# Altium PCB Pleiades_Frouf.PcbDoc (part 4 of 12) (continued)
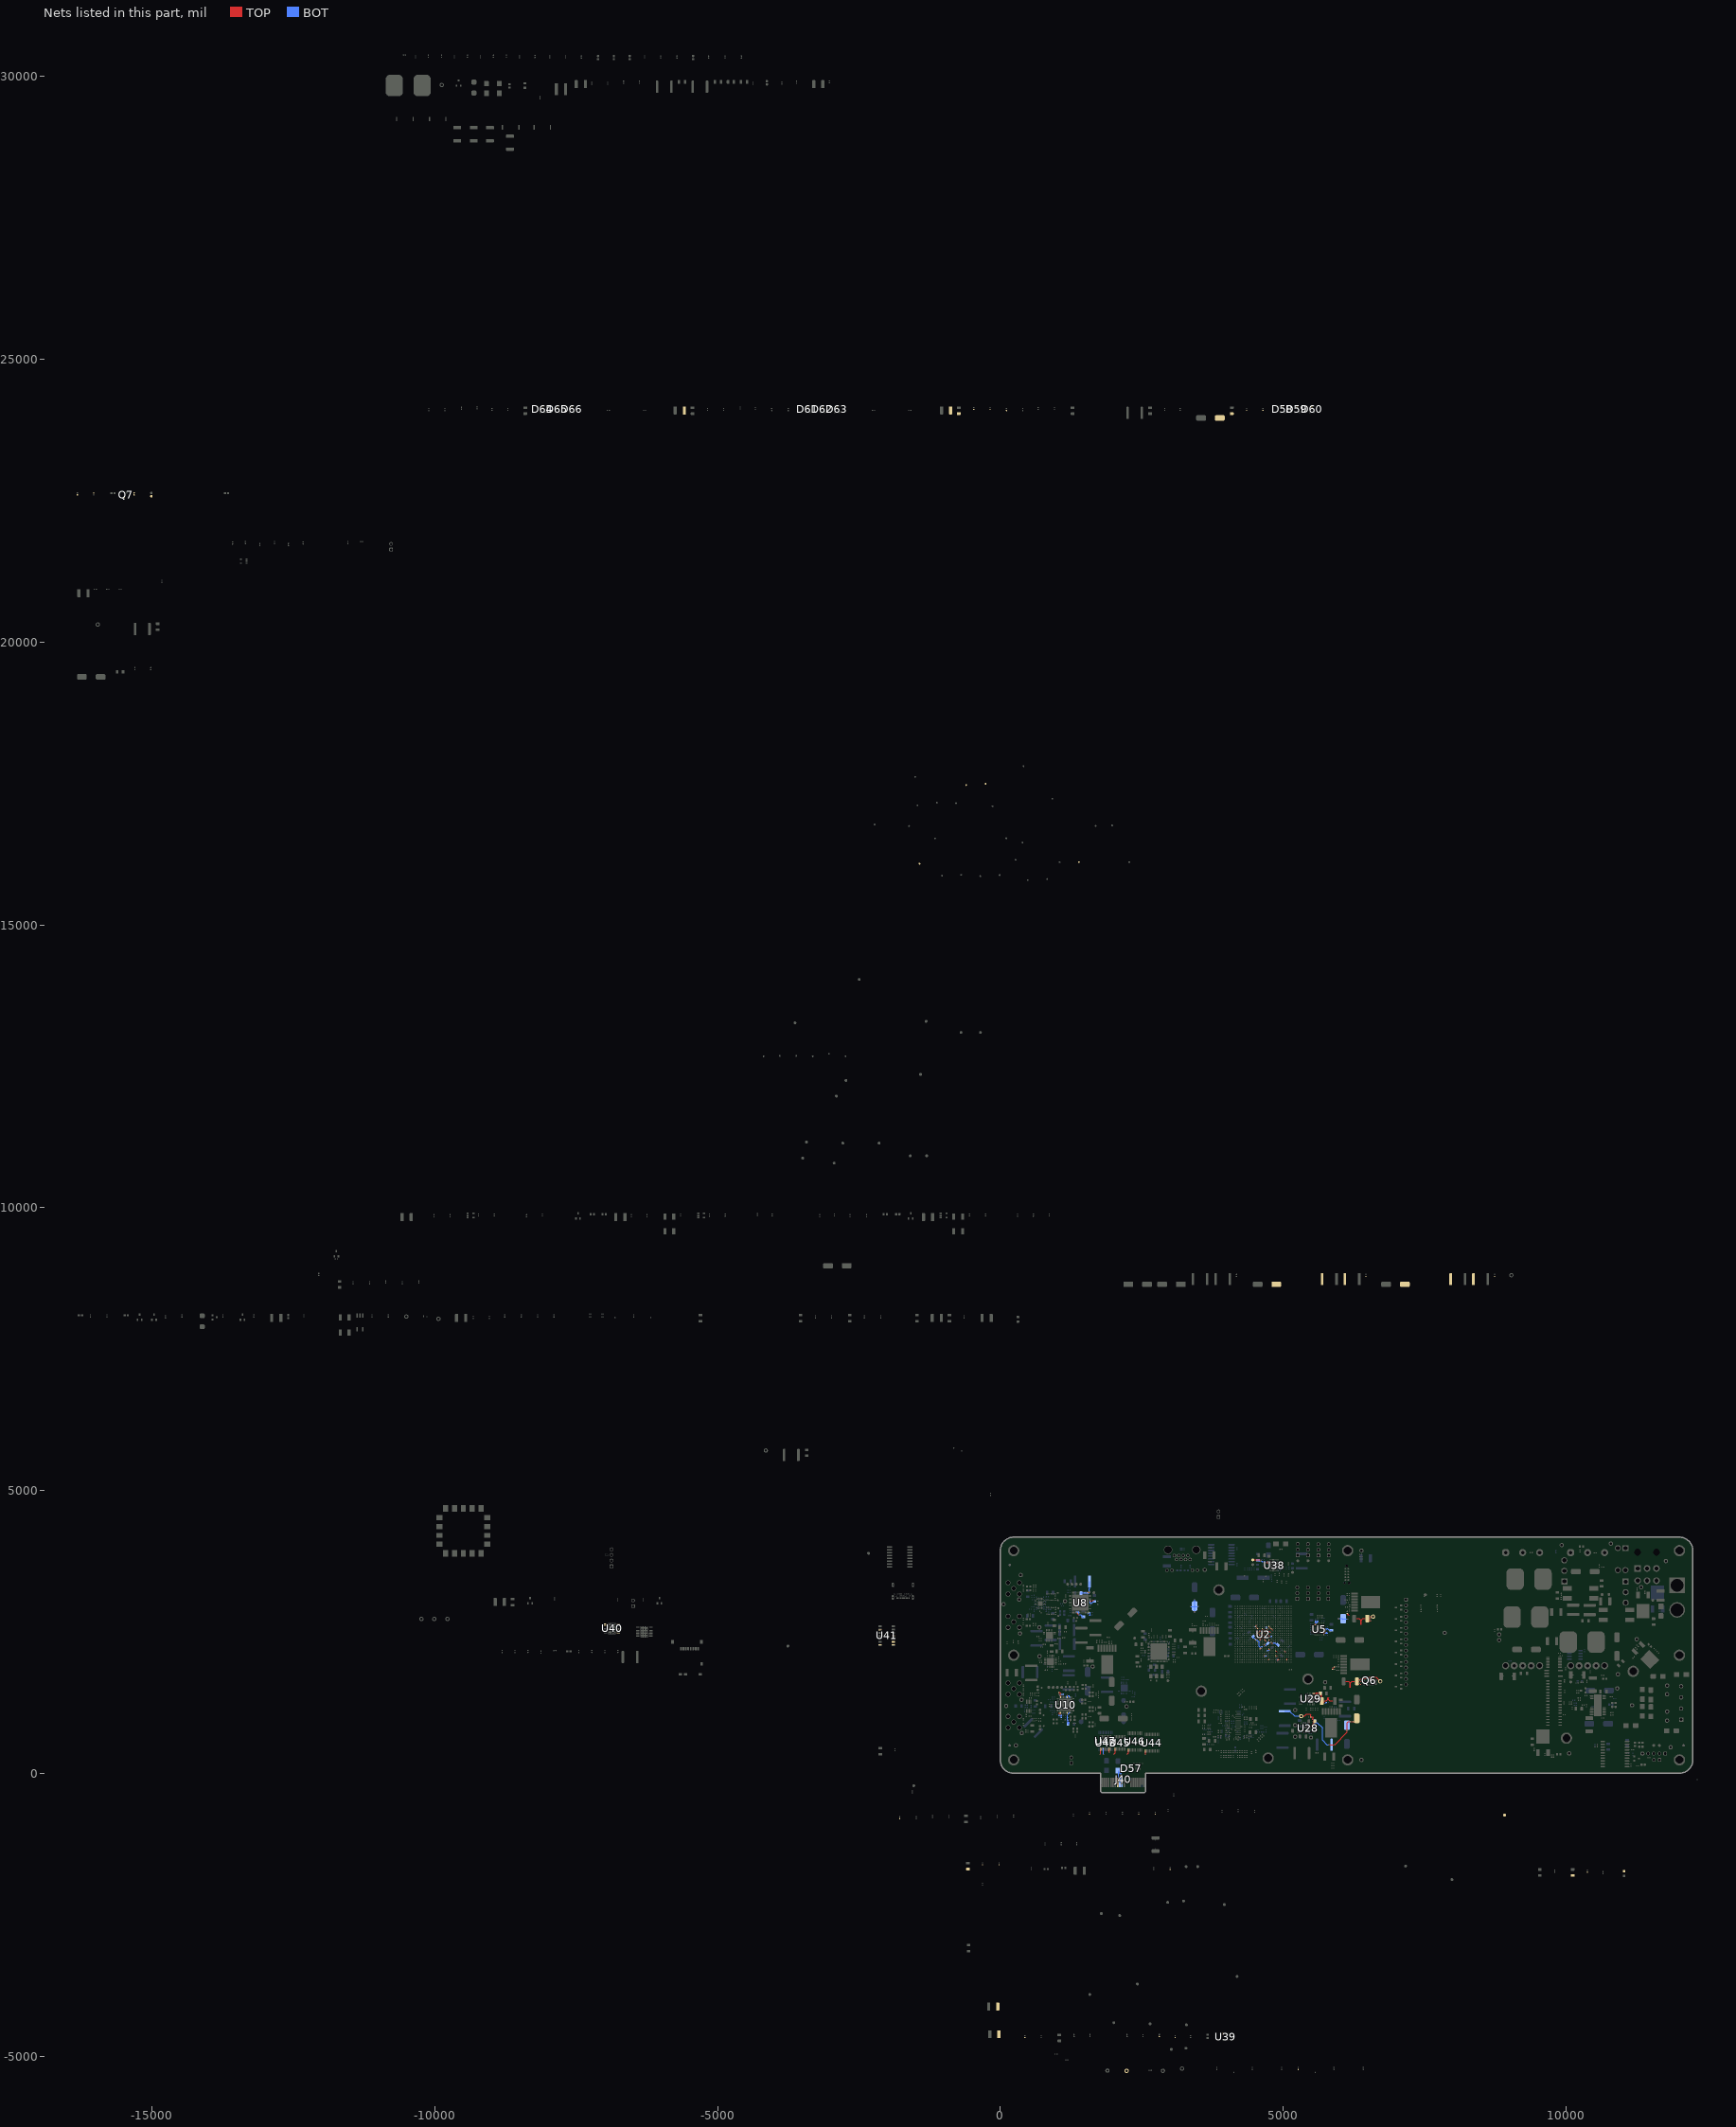
[diagram p14: the nets of this part, all layers, seen from the top]
## Part data (continued)
U10: library part DAC_AD9146BCPZ, "DAC - 16BIT SRL HIGH SPEED - QFN-48", Package=QFN-48, Supplier Part Number 1=AD9146BCPZ-ND, Temperature="-40°C ~ 85°C", Voltage="3.13 V ~ 3.47 V / 1.71 V ~ 1.89 V", CreatedBy="Jonathan Bouchard", HelpURL=http://www.analog.com/media/en/technical-documentation/data-sheets/AD9146.PDF, Mfg="Analog Devices Inc.", Mfg Part Number=AD9146BCPZ, Precision="16 Bit", Supplier 1=Digikey
U11: library part OPAMP_AD8056ARMZ, "OPAMP - VFB 300MHZ - 8MSOP", Current=60mA, Package=MSOP-8, Supplier Part Number 1=AD8056ARMZ-REEL7CT-ND, Temperature="-40°C ~ 125°C", Voltage="8 V ~ 12 V, ±4 V ~ 6 V", CreatedBy="Jonathan Bouchard", HelpURL=http://www.analog.com/media/en/technical-documentation/data-sheets/AD8055_8056.pdf, Mfg="Analog Devices", Mfg Part Number=AD8056ARMZ, Supplier 1=Digikey
U12 U14 U15 U16: library part ISO_SI8620EB-B-IS, "ISO - Dual-Channel Digital Isolator (default HI) - 8-SOIC", Manufacturer #1="Silicon Labs", Package=8-SOIC, Supplier Part Number 1=SI8620EB-B-IS-ND, Temperature="-40°C ~ 125°C", Voltage Rating=2.5-5.5V, Assembly Type=SMD, CreatedBy/Date="Joel Lemay 2018-06-05", Cryo=UNKNOWN, GRAMS Lib Spec=2.8, HelpURL=https://www.silabs.com/documents/public/data-sheets/si861x-2x-datasheet.pdf, Magnetic Material=Unknown, Part Number #1=SI8620EB-B-IS, Polarized=Yes, Supplier 1=Digi-Key, VerifiedBy="Caroline Paulin - 12 sept 2018"
U13: library part POW_MOTOR_DRV8811PWPR, "POW - STEPPER MOTOR DRIVER - SOP-28", Package=SOP-28, Supplier Part Number 1=296-24591-1-ND, Temperature="-40°C ~ 150°C (TJ)", Voltage="3 V ~ 5.5 V / 8 V ~ 38 V", CreatedBy="Jonathan Bouchard", HelpURL=http://www.ti.com/lit/ds/symlink/drv8811.pdf, Mfg="Texas Instrument", Mfg Part Number=DRV8811PWPR, Supplier 1=Digikey
U17: "1/1 Transceiver, Isolated CANbus 20-SOIC", Mfr="Analog Devices", Operating Temperature="-40C - 105C", Supplier Part Number 1=584-ADM3057EBRWZ, Voltage - Supply="0.5V - 6V", ComponentLink1Description=Digikey, ComponentLink1URL=https://www.digikey.ca/en/products/detail/analog-devices-inc/ADM3057EBRWZ/9806175, ComponentLink2Description=Datasheet, ComponentLink2URL=https://www.analog.com/media/en/technical-documentation/data-sheets/ADM3055E-3057E.pdf, ComponentLink3Description="Analog Devices", ComponentLink3URL=https://www.analog.com/en/products/adm3057e.html, ComponentLink4Description=Octopart, ComponentLink4URL=https://octopart.com/adm3057ebrwz-analog+devices-96773388?r=sp, Data Rate=12Mbps, Isolation=5kV, Mode="Full Duplex", Number of Drivers=1/1, Protocol=CAN, Supplier 1=Mouser
U18 U19 U20: library part SENS_TEMP_TC74A0-3.3VCTTR, "SENS - TEMPERATURE SENSOR I2C/SMBUS - SOT23-5", Package=SOT23-5, Supplier Part Number 1=TC74A0-3.3VCTDKR-ND, Temperature="-40°C ~ 125°C", Voltage="2.7 V ~ 5.5 V", CreatedBy="Jonathan Bouchard", HelpURL=http://ww1.microchip.com/downloads/en/DeviceDoc/21462D.pdf, Mfg=Microchip, Mfg Part Number=TC74A0-3.3VCTTR, Precision="±2°C (±3°C)", Supplier 1=Digikey
U21: "Silicon Serial Number SOT-23-3", Mfr="Analog Devices", Standyby Current="< 1µA", Serial Number=48-bits
U22 U27 U30 U31 U32: library part REG_SWR_LMZ23605TZE/NOPB, "REG - IC BUCK SYNC 36V 5A - TO-PMOD-7", Current Rating=5A, Manufacturer #1="Texas Instruments", Package=TO-PMOD-7, Supplier Part Number 1=296-35357-1-ND, Temperature="-40°C ~ 125°C", Voltage Rating="6 ~ 36 V", Assembly Type=SMD, CreatedBy/Date="Arnaud Samson - 05/07/18", Cryo=UNKNOWN, GRAMS Lib Spec=2.8, HelpURL=http://www.ti.com/lit/ds/symlink/lmz23605.pdf, Magnetic Material=YES, Note="One Reflow", Part Number #1=LMZ23605TZE/NOPB, Polarized=YES, Supplier 1=Digi-Key, VerifiedBy="Jonathan Bouchard 2018-07-13"
U23 U24 U29: library part REG_LDO_TPS7A4701RGWR, "REG - LINEAR POS ADJ 1A - 20VQFN", Current Rating=1A, Manufacturer #1="Texas Instruments", Manufacturer #2=TBD, Package="20-VQFN Exposed Pad", Supplier Part Number 1=296-37224-1-ND, Temperature="-40°C ~ 125°C", Tolerance=-, Voltage Rating="35V max", Assembly Type=SMD, CreatedBy/Date="L-P Gauthier / 2018-05-29", Cryo=UNKNOWN, GRAMS Lib Spec=2.8, HelpURL=http://www.ti.com/lit/ds/symlink/tps7a47.pdf, Magnetic Material=Unknown, Part Number #1=TPS7A4701RGWR, Part Number #2=TBD, Polarized=Yes, Supplier 1=Digi-Key, VerifiedBy="Caroline Paulin - 28 sept 2018"
U25: library part REG_SWR_PTN04050AAZT, "REG - SWR -15 ~ -3.3V 1A 6W - 5-SMD", Current Rating=1A, Manufacturer #1="Texas Instruments", Package=5-SMD, Power Max=6W, Supplier Part Number 1=296-32208-1-ND, Temperature="-40°C ~ 85°C", Voltage Rating=2.9V~7Vin, Assembly Type=5-SMD, CreatedBy/Date="Ihsane Najahi 2019-09-25", Cryo=UNKNOWN, GRAMS Lib Spec=2.8, HelpURL=http://www.ti.com/lit/ds/symlink/ptn04050a.pdf, Magnetic Material=Unknown, Part Number #1=PTN04050AAZT, Polarized=Yes, Supplier 1=Digi-Key, VerifiedBy="C.Paulin (9-10-2019)"
U26: library part REG_LDO_TPS7A3301RGWR, "REG - LDO Negative Adjustable 1 Output -1.18V-33V 1A -  20-VQFN (5x5)", Current Rating=1A, Manufacturer #1="Texas Instruments", Package=20-VQFN, Supplier Part Number 1=296-39502-1-ND, Temperature="-40°C ~ 125°C", Voltage Rating=-36V, Assembly Type=SMD, CreatedBy/Date="Keven Deslandes - 2018/10/11", Cryo=UNKNOWN, GRAMS Lib Spec=2.8, HelpURL=http://www.ti.com/lit/ds/symlink/tps7a33.pdf, Magnetic Material=Unknown, Part Number #1=TPS7A3301RGWR, Polarized=Yes, Supplier 1=Digi-Key, VerifiedBy="Caroline Paulin - 11/12/2018"
U28: library part REG_PMIC_TPS51200DRCT, "REG - DDR TERMINATION/REF REG - 10-VFDFN", Current Rating="Source: 3A~4.5A, Sink: 3.5A~5.5A", Manufacturer #1="Texas Instruments", Package=10-VFDFN, Supplier Part Number 1=296-23830-1-ND, Temperature="-40°C ~ 85°C", Voltage Rating="2.375V ~ 3.5V", Assembly Type=SMD, CreatedBy/Date="Joel Lemay 2019-03-19", Cryo=UNKNOWN, GRAMS Lib Spec=2.8, HelpURL=http://www.ti.com/lit/ds/symlink/tps51200.pdf, Magnetic Material=Unknown, Part Number #1=TPS51200DRCT, Polarized=Yes, Supplier 1=Digi-Key, VerifiedBy="Nicolas V. (2019-05-31)"
U33: library part ISO_ISO7741FDBQR, "ISO - Quad-Channel Digital Isolator 3/1 (Default Low)- 16-SSOP", Manufacturer #1="Texas Instruments", Package=16-SSOP, Supplier Part Number 1=296-48140-1-ND, Temperature="-55°C ~ 125°C", Voltage Rating=2.25-5.5V, Assembly Type=SMD, CreatedBy/Date="Louis-Daniel Gaulin / 11-03-2020", Cryo=UNKNOWN, GRAMS Lib Spec=2.8c, HelpURL=http://www.ti.com/lit/ds/symlink/iso7741.pdf, Magnetic Material=Unknown, Part Number #1=ISO7741FDBQR, Polarized=Yes, Supplier 1=Digi-Key, VerifiedBy="c.Paulin - 20/04/2020"
U34: Mfr="Texas Instruments", Operating Temperature="-30C - 85C", Voltage - Supply (Analog)="2.7V - 5.5V", Architecture=SAR, ComponentLink1Description=Digikey, ComponentLink1URL=https://www.digikey.ca/en/products/detail/texas-instruments/TLV1572ID/277528, ComponentLink2Description=Datasheet, ComponentLink2URL=https://www.ti.com/lit/ds/symlink/tlv1572.pdf?HQS=dis-dk-null-digikeymode-dsf-pf-null-wwe&ts=1706610861795&ref_url=https%253A%252F%252Fwww.ti.com%252Fgeneral%252Fdocs%252Fsuppproductinfo.tsp%253FdistId%253D10%2526gotoUrl%253Dhttps%253A%252F%252Fwww.ti.com%252Flit%252Fgpn%252Ftlv1572, ComponentLink3Description="Texas Instruments", ComponentLink3URL=https://www.ti.com/product/TLV1572, Number of Bits=10, Number of Inputs=1, Voltage - Supply (Digital)="2.7V - 5.5V"
U35: "Current Sense Amplifier 1 Circuit Single-Ended SC-70-6", Current - Input Bias=28µA, Mfr="Texas Instruments", Operating Temperature="-40C - 125C", Ratings=AEC-Q100, Voltage - Analog Input (Max)=26V, Voltage - Input Offset=1µV, Voltage - Supply (Min)=2.7V, ComponentLink1Description=Digikey, ComponentLink1URL=https://www.digikey.com/en/products/detail/texas-instruments/INA214AQDCKRQ1/2361055, ComponentLink2Description=Datasheet, ComponentLink2URL=https://www.ti.com/lit/ds/symlink/ina213-q1.pdf?HQS=dis-dk-null-digikeymode-dsf-pf-null-wwe&ts=1706525130563&ref_url=https%253A%252F%252Fwww.ti.com%252Fgeneral%252Fdocs%252Fsuppproductinfo.tsp%253FdistId%253D10%2526gotoUrl%253Dhttps%253A%252F%252Fwww.ti.com%252Flit%252Fgpn%252Fina213-q1, ComponentLink3Description=Octopart, ComponentLink3URL=https://octopart.com/ina214aqdckrq1-texas+instruments-18804705?r=sp, ComponentLink4Description="Texas Instruments", ComponentLink4URL=https://www.ti.com/product/INA214-Q1/part-details/INA214AQDCKRQ1, Gain=100V/V, Gain Bandwidth Product=30kHz, Supplier 1=Mouser, Voltage - Supply (Max)=26V
U37: "Isolated DC/DC Converters - Through Hole 9V-36VIN 24VOUT 120W", Current - Output=5A, Isolation Voltage=2.828kV, Mfr=Murata, Operating Temperature="-40C - 85C", Output Power=120W, Supplier Part Number 1=580-IRE-24/5-Q12P-C, Switching Frequency=240kHz, Voltage - Input (Max)=36V, Voltage - Input (Min)=9V, Voltage - Output=24V, ComponentLink1Description=Mouser, ComponentLink1URL=https://www.mouser.ca/ProductDetail/Murata-Power-Solutions/IRE-24-5-Q12P-C?qs=xZ%2FP%252Ba9zWqZkiEXUCSXVgg%3D%3D, ComponentLink2Description=Murata, ComponentLink2URL=https://www.murata.com/en-us/products/productdetail?partno=IRE-24%2F5-Q12P-C, ComponentLink3Description=Datasheet, ComponentLink3URL=https://www.murata.com/products/productdata/8807029112862/ire-q12.pdf?1655388012000, ComponentLink4Description=Octopart, ComponentLink4URL=https://octopart.com/ire-24%2F5-q12p-c-murata+power+solutions-107236523?r=sp, Supplier 1=Mouser
U38: library part COM_ETH_PHY_KSZ8091MNXCA, "COM - ETHERNET PHY 10/100 - QFN-32", Package=QFN-32, Supplier Part Number 1=576-4356-ND, Temperature="0°C ~ 70°C", Voltage="1.8V, 2.5V, 3.3V", CreatedBy="Jonathan Bouchard", HelpURL=http://ww1.microchip.com/downloads/en/DeviceDoc/00002275A.pdf, Mfg=Micrel, Mfg Part Number=KSZ8091MNXCA, Supplier 1=Digikey
U39: "General Purpose Amplifier 1 Circuit Rail-to-Rail SOT-23-5", Current - Input Bias=10pA, Current - Output=75mA, Mfr="Texas Instruments", Operating Temperature="-40C - 125C", Supplier Part Number 1=595-OPA991IDBVR, Voltage - Input Offset=125µV, Voltage - Supply (Max)=40V, Voltage - Supply (Min)=2.7V, ComponentLink1Description=Digikey, ComponentLink1URL=https://www.digikey.ca/en/products/detail/texas-instruments/OPA991IDBVR/13174045, ComponentLink2Description=Datasheet, ComponentLink2URL=https://www.ti.com/lit/ds/symlink/opa991.pdf, ComponentLink3Description="Texas Instruments", ComponentLink3URL=https://www.ti.com/product/OPA991/part-details/OPA991IDBVR, ComponentLink4Description=Octopart, ComponentLink4URL=https://octopart.com/search?q=OPA991IDBVR&autosugg_idx=0&currency=USD&specs=0, Output Type=Rail-to-Rail, Part#=OPA991IDBVR, Slew Rate=21V/µs, Supplier 1=Mouser
U40 U42: "Current Sense Amplifier 4 Circuit Differential, Rail-to-Rail 14-TSSOP", Current - Input Bias=-100nA, Current - Output / Channel=8mA, Mfr="Texas Instruments", Operating Temperature="-40C - 125C", Ratings=AEC-Q100, Supplier Part Number 1=595-INA4180A1QPWRQ1, Voltage - Analog Input (Max)=26V, Voltage - Input Offset=100uV, Voltage - Supply (Max)=5.5V, Voltage - Supply (Min)=2.7V, ComponentLink1Description=Digikey, ComponentLink1URL=https://www.digikey.com/en/products/detail/texas-instruments/INA4180A1QPWRQ1/9654220, ComponentLink2Description=Datasheet, ComponentLink2URL=https://www.ti.com/lit/ds/symlink/ina4180-q1.pdf, ComponentLink3Description=Octopart, ComponentLink3URL=https://octopart.com/ina4180a1qpwrq1-texas+instruments-94354202?r=sp, ComponentLink4Description="Texas Instruments", ComponentLink4URL=https://www.ti.com/product/INA4180-Q1/part-details/INA4180A1QPWRQ1, Gain=20V/V, Gain Bandwidth Product=350kHz, Supplier 1=Mouser
U41: "10 Bit Analog to Digital Converter 16 Input 1 SAR 38-TSSOP", Mfr="Texas Instruments", Operating Temperature="-40C - 125C", Supplier Part Number 1=595-ADS7957QDBTRQ1, Supply Voltage - Analog (Max)=5.25V, Supply Voltage - Analog (Min)=2.7V, Supply Voltage - Digital (Max)=5.25, Supply Voltage - Digital (Min)=1.7V, Architecture=SAR, ComponentLink1Description=Digikey, ComponentLink1URL=https://www.digikey.ca/en/products/detail/texas-instruments/ADS7957QDBTRQ1/4860369, ComponentLink2Description=Datasheet, ComponentLink2URL=https://www.ti.com/lit/ds/symlink/ads7957-q1.pdf, ComponentLink3Description="Texas Instruments", ComponentLink3URL=https://www.ti.com/product/ADS7957-Q1/part-details/ADS7957QDBTRQ1, ComponentLink4Description=Octopart, ComponentLink4URL=https://octopart.com/ads7957qdbtrq1-texas+instruments-43172431?r=sp, Input Type="Single Ended", Number of Bits=10, Number of Inputs=16, Part#=ADS7957QDBTRQ1, Qualification=AEC-Q100, Sampling Rate=1M, Supplier 1=Mouser
U43: library part ISO_ISO7741DBQR, "ISO - Quad-Channel Digital Isolator 3/1 (Default High)- 16-SSOP", Manufacturer #1="Texas Instruments", Package=16-SSOP, Supplier Part Number 1=296-47660-1-ND, Temperature="-55°C ~ 125°C", Voltage Rating=2.25-5.5V, Assembly Type=SMD, CreatedBy/Date="Louis-Daniel Gaulin / 11-03-2020", Cryo=UNKNOWN, GRAMS Lib Spec=2.8c, HelpURL=http://www.ti.com/lit/ds/symlink/iso7741.pdf, Magnetic Material=Unknown, Part Number #1=ISO7741DBQR, Polarized=Yes, Supplier 1=Digi-Key, VerifiedBy="C.Paulin - 20/04/2020"
U44 U46: Mfr="Analog Devices", Operating Temperature="-40C - 125C", Supplier Part Number 1=584-ADN4652BRSZ-RL7, Voltage - Isolation=3750Vrms, Voltage - Supply="2.375V - 2.625V", Channel Type=Unidirectional, ComponentLink1Description=Digikey, ComponentLink1URL=https://www.digikey.com/en/products/detail/analog-devices-inc/ADN4652BRSZ-RL7/6624085, ComponentLink2Description=Datasheet, ComponentLink2URL=https://www.analog.com/media/en/technical-documentation/data-sheets/ADN4650-4651-4652.pdf, ComponentLink3Description="Analog Devices", ComponentLink3URL=https://www.analog.com/en/products/adn4652.html?doc=ADN4650-4651-4652.pdf, ComponentLink4Description=Octopart, ComponentLink4URL=https://octopart.com/adn4652brsz-rl7-analog+devices-77756952?r=sp, Data Rate=600Mbps, Inputs - Side1 / Side2=1/1, Protocol=LVDS, Supplier 1=Mouser, Type="Magnetic Coupling"
U45: library part ISO_SI8640EB-B-IU, "ISO - Quad-Channel Digital Isolator (default HI) - 16-SSOP", Manufacturer #1="Silicon Labs", Package=16-SSOP, Supplier Part Number 1=336-4288-ND, Temperature="-40°C ~ 125°C", Voltage Rating=2.5-5.5V, Assembly Type=SMD, CreatedBy/Date="Joel Lemay 2018-06-05", Cryo=UNKNOWN, GRAMS Lib Spec=2.8, HelpURL=https://www.silabs.com/documents/public/data-sheets/si864x-datasheet.pdf, Magnetic Material=Unknown, Part Number #1=SI8640EB-B-IU, Polarized=Yes, Supplier 1=Digi-Key, VerifiedBy="Caroline Paulin - 12 sept 2018"
U47: "I2C Digital Isolator 2500Vrms 2 Channel 25kV/µs CMTI 20-SSOP (0.209\", 5.30mm Width)", Mfr="Analog Devices", Operating Temperature="-40C - 105C", Voltage - Isolation=2.5kV, Voltage - Supply="3V - 5.5V", Channel Type=Bidirectionnal, Type=I2C
X1: library part OSCILLATOR, "25 MHz ±30ppm Crystal 16pF 40 Ohms HC-49/US", Frequency="25 MHz", Frequency Stability=50ppm, Frequency Tolerance=30ppm, Load Capacitance=16pF, Operating Temperature="-10C - 60C", Supplier Part Number 1=94X0915, ComponentLink1Description=Digikey, ComponentLink1URL=https://www.digikey.ca/en/products/detail/iqd-frequency-products/LFXTAL010595/8633762, ComponentLink2Description=Datasheet, ComponentLink2URL=https://www.iqdfrequencyproducts.com/products/datasheets/LFXTAL010595.pdf, ComponentLink3Description=Octopart, ComponentLink3URL=https://octopart.com/lfxtal010595-iqd+frequency+products-8426629, Supplier 1=Newark
Y1: library part OSC_590BD-BDG, "TIM - OSC PROG 125MHz ~ 214.999MHz LVDS 3.3V 7PPM EN/DS - 6-SMD", Current Rating="100 mA (supply)", Manufacturer #1="Silicon Labs", Package=6-SMD, Supplier Part Number 1=590BD-BDG-ND, Temperature="-40°C ~ 85°C", Voltage Rating="3.3V (supply)", Assembly Type=SMD, CreatedBy/Date="from 590BD-CDG", Cryo=UNKNOWN, GRAMS Lib Spec=2.8, HelpURL=https://www.silabs.com/documents/public/data-sheets/Si590-591.pdf, Magnetic Material=UNKNOWN, Note="Spécifié la fréquence lors de la commande", Part Number #1=590BD-BDG, Polarized=Yes, Supplier 1=Digi-Key, VerifiedBy="Caroline Paulin / 3/10/2019"

## Via types
v1: diameter 12/18/18/18/18/18/18/18/18/18/18/12 (per signal layer), hole 6, TOP to BOT, 1113 vias
v2: diameter 20, hole 10, TOP to BOT, 363 vias
v3: diameter 19.68, hole 7.87, TOP to BOT, 110 vias
v4: diameter 25, hole 12, TOP to BOT, 67 vias
v5: diameter 40, hole 20, TOP to BOT, 48 vias
v6: diameter 22, hole 12, TOP to BOT, 27 vias
v7: diameter 12, hole 6, TOP to BOT, 19 vias
v8: diameter 19.68, hole 11.81, TOP to BOT, 9 vias

## Nets (pads, with @x,y where several pads share a name; then routed paths per layer and width w, separated by ;. In a path a pad name is that pad's centre, name@x,y a point inside that pad or via, vN(x,y) a via of type N, cw(c..) or ccw(c..) an arc to the next point about the centre after c; other vN are vias at no path point)
+1V2D: C102.1 C103.1 C104.1 C105.1 C106.1 C107.1 C108.1 C460.1 C462.1 C463.1 C464.1 NT51.1 Q6.1 R241.1 R250.2 R251.2 R317.1 TP113.1 U2.K11 U2.K17 U2.L10 U2.L12 U2.L14 U2.L16 U2.M11 U2.M13 U2.M15 U2.N12 U2.N14 U2.N16 U2.P11 U2.P13 U2.P15 U2.R12 U2.R14 U2.R16 U2.T11 U2.T13 U2.T15 U2.T17 U2.U10 U2.U16 U41.17 | length 1863.3
  TOP w6: U2.K11@4511.81,2358.27 4513.35,2358.27 v1(4535.08,2380) ; U2.K17@4511.81,2594.49 4529.93,2612.6 v1(4529.93,2615) ; v1(4533.23,2418.27) 4551.18,2400.31 U2.L12@4551.18,2397.64 ; v1(4533.86,2579.84) 4533.86,2572.44 U2.L16@4551.18,2555.12 ; v1@4535.08,2497.4 4535.08,2492.48 U2.L14@4551.18,2476.38 ; v1(4569.92,2458.74) 4590.55,2438.11 U2.M13@4590.55,2437.01 ; v1(4572.31,2495) 4590.55,2513.24 U2.M15@4590.55,2515.75 ; U2.M11@4590.55,2358.27 4590.55,2360.38 v1(4610.17,2380) ; v1(4611.91,2495) 4629.92,2476.99 U2.N14@4629.92,2476.38 ; U2.N12@4629.92,2397.64 4629.92,2396.71 v1(4649.63,2377.01) ; U2.N16@4629.92,2555.12 4649.63,2535.41 v1@4649.63,2533.11 ; v1(4648.78,2497.4) 4650.94,2497.4 U2.P15@4669.29,2515.75 ; v1(4650.6,2456.69) 4669.29,2438 U2.P13@4669.29,2437.01 ; U2.P11@4669.29,2358.27 4691.02,2336.54 v1@4691.3,2336.54 ; v1(4685,2415) 4691.3,2415 U2.R12@4708.66,2397.64 ; v1(4688.74,2492.48) 4692.56,2492.48 U2.R14@4708.66,2476.38 ; U2.R16@4708.66,2555.12 4727.72,2536.06 v1(4727.72,2531.85) ; U2.T11@4748.03,2358.27 4765,2341.3 v1(4765,2336.54) ; U2.T13@4748.03,2437.01 4748.03,2435.24 v1(4765,2418.27) ; U2.T15@4748.03,2515.75 4771.3,2492.48 v1(4775,2492.48) ; U2.T17@4748.03,2594.49 4769.8,2572.72 v1(4775,2572.72) ; U2.U10@4787.4,2318.9 4802.18,2304.12 v1(4807.16,2304.12) ; U2.U16@4787.4,2555.12 4789.2,2555.12 v1(4807.16,2537.17)
  TOP w8: R250.2@5873.79,1839.98 5873.79,1841.07 5880.66,1847.94 v1(5880.66,1870.7) 5887.66,1877.69 5902.73,1877.69 R251.2@5907.5,1882.46 ; v4(6389.03,1669.06) 6393.63,1669.06 6401.39,1676.82 R317.1@6433.8,1676.82 6479.49,1676.82 Q6.1@6479.99,1676.32 6489.99,1686.32 6515.02,1686.32 6527.03,1698.33 6645.08,1698.33 TP113.1@6716.09,1627.32
  TOP w20: v4(6386.05,1572.45) 6385.09,1573.4 6324.28,1573.4 6303.29,1594.39 R241.1@6303.29,1624.96 ; v4(6389.03,1621.93) 6306.32,1621.93 R241.1@6303.29,1624.96 ; v4(6389.03,1669.06) 6324.28,1669.06 6303.29,1648.08 R241.1@6303.29,1624.96
  BOT w8: C106.1@4507.93,2593.01 v1(4529.93,2615) ; C108.1@4707.5,2588.08 4707.5,2552.06 v1(4727.72,2531.85) ; v1(4765,2418.27) 4766.08,2418.27 4768.98,2421.16 C105.1@4796.35,2421.16 ; v1(4807.16,2304.12) 4807.72,2304.68 4842.29,2304.68 4847.11,2299.86 4860.34,2299.86 4891.42,2268.78 C104.1@4909.1,2268.78
  BOT w20: v1(5975.6,2735.67) 6042.41,2735.67 6061.73,2716.35 6072.55,2727.17 v1(6143.11,2727.17)
  other v1: 4691.16,2336.54 4535.08,2494.94 4649.63,2534.26
  other v4: 6356.05,1572.71 6356.05,1622.19 6356.05,1668.54
+1V2D_CURR_23: TP148.1 U40.14 U41.18
+1V2D_ETH: C524.1 C525.1 C526.1 C527.1 TP140.1 U38.2 | length 388.1
  TOP w6: TP140.1@4463.56,3772.12 4585.65,3772.12 v1(4602.19,3755.58) ; v1(4700.9,3740.52) 4713.84,3727.58 U38.2@4747.56,3727.58
  BOT w6: C524.1@4557.19,3769.08 4570.69,3755.58 4605.2,3755.58 4612.66,3748.12 4624.16,3748.12 C525.1@4627.3,3744.97 C526.1@4665.4,3744.97 4694.83,3744.97 4699.28,3740.52 v1(4700.9,3740.52) 4702.53,3740.52 4706.17,3736.87 C527.1@4734.47,3736.87
+1V2D_SHUNT_17_+: NT51.2 U40.12 | length 164.4
  TOP w6: 6191.69,1514.96 6191.69,1599.96 6216.69,1624.96 NT51.2@6260.69,1624.96
+1V2D_SHUNT_17_-: NT50.2 U40.13 | length 167.4
  TOP w6: NT50.2@6110.69,1624.96 6157.69,1624.96 6182.69,1599.96 6182.69,1514.96
+1V8D: C138.1 C139.1 C140.1 C141.1 C142.1 C212.1 C213.1 C214.1 C215.1 C216.1 C217.1 C218.1 C273.1 C274.1 C275.1 C276.1 C277.1 C278.1 C279.1 C280.1 C281.1 C282.1 C283.1 C284.1 C326.1 C327.1 C328.1 C329.1 C330.1 C331.1 C332.1 C333.1 C334.1 C335.1 C336.1 C337.1 C472.1 C474.1 C475.1 C476.1 NT49.1 Q7.1 R129.1 R240.1 R248.1 R331.1 TP115.1 U2.AC6 U2.AD2 U2.M7 U2.P4 U2.P9 U2.T2 U2.T7 U2.W4 U2.W6 U2.Y2 U5.B1 U5.E1 U5.G6 U8.1 U8.38 U8.48 U8.58 U10.1 U10.2 U10.8 U10.29 U10.35 U41.21 | length 3706.9
  TOP w6: R129.1@1036.49,1427.66 1046.61,1427.66 1058.83,1415.44 v1(1058.83,1376.53) 1066.57,1368.79 U10.35@1066.57,1345 ; U10.1@1046.89,1071.38 1046.89,1046.76 v1(1055.13,1038.51) 1056.28,1039.66 1056.28,1049.03 1066.57,1059.32 U10.2@1066.57,1071.38 ; U10.8@1184.69,1071.38 1184.96,1071.11 1184.96,1043.94 v1(1185.23,1043.66) ; U10.29@1184.69,1345 1184.69,1376.39 v1(1184.96,1376.66) ; U8.38@1361.97,2840.58 1362.55,2840 1362.55,2825.96 1383.31,2805.2 v1(1392.61,2805.2) ; U8.1@1558.82,3192.94 1558.82,3195.68 1560.23,3197.09 v1(1577.6,3197.09) ; U8.58@1587.36,3046.29 1587.5,3046.15 1619.92,3046.15 v1(1620.06,3046.01) 1621.21,3047.16 1634.97,3047.16 1646.6,3058.79 1646.6,3065.82 1655,3074.22 v1(1655,3075.84) ; U2.M7@4590.55,2200.79 4606.63,2216.86 4617.46,2216.86 v1(4618.61,2218.01) ; v1(4668.76,2063.16) 4669.02,2063.43 4669.02,2082.41 U2.P4@4669.29,2082.68 ; U2.P9@4669.29,2279.53 4683.4,2265.41 v1(4683.4,2261.57) ; U2.T2@4748.03,2003.94 4748.03,2005.91 4756.58,2014.46 v1(4756.58,2016.09) ; U2.T7@4748.03,2200.79 4765,2183.82 v1(4765,2180) ; U2.W4@4866.14,2082.68 v1(4883.82,2065) v1@4885,2065 ; U2.W6@4866.14,2161.42 4885,2142.56 v1(4885,2140) ; U2.Y2@4905.51,2003.94 4922.48,2020.91 v1(4930,2020.91) ; U2.AC6@5023.62,2161.42 5042.28,2142.76 v1(5045,2142.76) ; U2.AD2@5062.99,2003.94 5082.61,2023.55 v1(5085,2023.55) ; U5.G6@5561.52,2625.66 5561.9,2625.66 5577.93,2641.69 v1(5578.32,2641.69) ; U5.B1@5719,2468.18 5745,2494.18 v1(5745,2494.49) 5744.43,2495.07 5744.43,2532.54 v1(5743.85,2533.11) 5743.85,2537.81 U5.E1@5719,2562.67 ; R248.1@6134.36,2826.53 6137.7,2823.18 6137.7,2812.66 6145.36,2805 v1(6173.74,2805) ; v1(6545,2739.06) 6543.38,2739.06 6539.32,2735 R240.1@6488.43,2735 ; 6554.74,2697.37 6515.88,2697.37 6488.43,2724.82 R240.1@6488.43,2735 ; TP115.1@6590,2769.06 6515.88,2769.06 6488.43,2741.61 R240.1@6488.43,2735
  BOT w6: C334.1@1039.13,1023.01 1054.63,1038.51 v1(1055.13,1038.51) 1064.08,1038.51 1077.5,1025.09 C331.1@1077.5,987.5 ; v1(1058.83,1376.53) 1059.98,1377.68 1059.98,1382.33 1072.63,1394.98 C335.1@1072.63,1396.06 1072.9,1396.33 1112.23,1396.33 C328.1@1112.5,1396.6 ; C333.1@1175,1346.34 1175,1366.7 v1(1184.96,1376.66) 1216.34,1376.66 1220.73,1372.27 C329.1@1220.73,1347.81 ; v1(1220.73,915) 1220.73,913.38 1215.19,907.84 1215.19,887.46 C326.1@1197.73,870 1197.73,928.82 1186.14,940.41 C336.1@1186.1,1022.31 C336.1@1186.1,1022.31 1185.67,1022.74 1185.67,1043.23 v1(1185.23,1043.66) 1186.38,1044.81 1197.49,1044.81 C327.1@1224.06,1071.38 ; C283.1@1345,2851.22 1383.92,2851.22 1390.77,2844.38 1390.77,2842.11 1392.61,2840.26 v1(1392.61,2805.2) 1419.11,2805.2 1458.35,2765.96 C276.1@1468.35,2765.96 ; C274.1@1426.6,3183.74 1431.1,3188.24 C279.1@1491.7,3188.24 1492.08,3188.62 1533.66,3188.62 C281.1@1534.04,3189 1569.51,3189 v1(1577.6,3197.09) 1577.6,3221.61 1573.5,3225.7 1573.5,3260.3 1577.6,3264.4 C273.1@1577.6,3390 ; 1558.82,2840.58 1558.82,2816.09 1563.6,2811.31 v1(1563.6,2809.69) 1568.5,2804.79 1582.04,2804.79 C280.1@1587.5,2799.33 C284.1@1587.5,2840.19 ; C278.1@1586.53,3012.8 1586.95,3013.22 1586.95,3045.87 C282.1@1587.36,3046.29 1587.5,3046.15 1619.92,3046.15 v1(1620.06,3046.01) 1646.83,3046.01 C275.1@1655,3037.84 ; C278.1@1587.36,3006.92 1614.08,3006.92 1645,3037.84 C275.1@1655,3037.84 ; v1(1655,3075.84) C275.1@1655,3037.84 ; C139.1@4469.92,2419.62 4469.92,2407.51 4526.49,2350.94 4541.54,2350.94 4575.61,2316.87 4575.61,2246.47 4603.61,2218.48 4618.14,2218.48 v1(4618.61,2218.01) 4619.76,2219.16 4619.76,2223.85 4627.61,2231.7 C140.1@4627.61,2239.86 ; v1(4668.76,2063.16) 4682.48,2076.88 C141.1@4702,2076.88 ; v1(4683.4,2261.57) 4699.79,2261.57 4714.99,2276.78 ; C142.1@4721.44,2169.65 4722.64,2169.65 4732.99,2180 v1@4764.48,2180 ; v1(5578.32,2641.69) v1@5579.47,2642.84 ; C218.1@5745,2474.2 C215.1@5785,2474.2 5764.71,2494.49 v1(5745,2494.49) ; C217.1@5745,2558.13 5744.43,2557.56 5744.43,2533.68 v1(5743.85,2533.11) 5759.98,2533.11 C214.1@5785,2558.13 5816.13,2527 C212.1@5855,2527 ; v1@5579.47,2642.84 5608.66,2672.03 5608.66,2681.13 C213.1@5613.01,2685.48 C216.1@5571.96,2685.48 5571.96,2659.46 5579.47,2651.94 v1@5579.47,2642.84
  BOT w20: v1(3360.88,2948.82) 3427.65,2948.82 C138.1@3435,2956.17 ; v1(3435,2849.76) C138.1@3435,2956.17 ; v1(3435,3073.35) C138.1@3435,2956.17 ; v1(3498.98,2948.82) 3442.35,2948.82 C138.1@3435,2956.17
  other v1: 6545,2697.37 6532.43,2769.06
+1V8D_CURR_23: TP159.1 U40.8 U41.22
+1V8D_SHUNT_17_+: NT49.2 U40.10 | length 158.3
  TOP w6: 6381.51,2630 6381.51,2705 6411.51,2735 NT49.2@6452.43,2735
+1V8D_SHUNT_17_-: NT48.2 U40.9 | length 161.3
  TOP w6: NT48.2@6298.59,2735 6342.51,2735 6372.51,2705 6372.51,2630
+2V5_VOLT_23: R329.2 R330.2 TP157.1 U41.23
+2V5D: C435.1 C436.1 C437.1 C438.1 C439.1 C442.1 C443.1 C444.1 C454.1 NT45.1 R219.1 R222.1 R328.1 R329.1 TP108.1 U28.10 U29.15 U29.16 | length 2869.2
  TOP w6: TP108.1@5321.04,1009.16 5382.31,1009.16 5416.34,1043.18 5473.08,1043.18 5488.14,1028.12 C439.1@5488.14,993.18 5523.96,993.18 5527.48,989.66 5527.48,964.51 5523.2,960.23 v1(5523.2,933.46) 5548.18,933.46 C442.1@5560.64,921.01 5560.64,911.01 5524.35,874.72 5524.35,862.38 v1(5523.2,861.23) 5522.05,860.08 5520.36,860.08 5497.2,836.92 U28.10@5490.11,836.92
  TOP w12: R219.1@5703.46,1252.85 v1(5736.96,1252.85)
  TOP w20: v1(5815.49,504.09) v1(5902.88,504.09) 5914.21,504.09 6135.18,725.06 6135.18,899.47 6146.89,911.18 v4(6232.6,911.18) 6233.56,912.14 6266.32,912.14 6303.46,949.29 C435.1@6303.46,972.11
  TOP w25: U29.16@5540.82,1410.58 v1(5560.99,1410.58) 5581.17,1410.58 5584.68,1407.06 ; U29.15@5584.13,1367.27 5584.68,1367.82 v1(5584.68,1387.44) 5584.68,1407.06 ; R219.1@5703.46,1252.85 5684.96,1271.35 R219.1@5684.96,1277.05 5670.33,1291.68 5670.33,1400.5 C454.1@5659.96,1410.87 v1(5624.96,1410.87) 5588.49,1410.87 5584.68,1407.06
  BOT w6: C437.1@5030.08,1094.57 5115.08,1094.57 5200.48,1009.16 TP108.1@5321.04,1009.16 ; v1(5624.96,1410.87) C444.1@5659.96,1410.87 ; v1(5736.96,1252.85) 5740.39,1249.43 R222.1@5765.92,1249.43
  BOT w20: v1(5523.2,861.23) 5524.35,862.38 5541.88,862.38 5562.7,883.2 C443.1@5562.7,914.5 ; C443.1@5562.7,919.19 C443.1@5562.7,914.5 ; v1(5902.88,504.09) C438.1@5856.06,504.09 v1(5815.49,504.09) 5774.92,504.09 5694.2,584.81 5694.2,802.24 5600.75,895.69 5581.51,895.69 C443.1@5562.7,914.5 ; C436.1@6128.46,849.83 6128.46,873.08 6166.56,911.18 v4(6193.5,911.18)
  other v4: 6135.18,744.48
+2V5D_CURR_23: TP158.1 U40.1 U41.24
+2V5D_SHUNT_17_+: NT45.2 U40.3 | length 117.2
  TOP w5: NT45.2@5722.48,1283.85 5767.33,1283.85 5789.06,1305.58 5789.06,1330.33 5800.96,1342.23
+2V5D_SHUNT_17_-: NT44.2 U40.2 | length 119
  TOP w5: 5812.44,1336.46 5800.96,1324.98 5800.96,1305.26 5822.37,1283.85 NT44.2@5875.14,1283.85
+3V3_PCI: C540.1 C541.1 C545.1 C546.2 C549.2 C561.1 C562.1 C563.1 C564.1 C572.2 C573.1 C574.1 C575.1 C576.1 C595.1 C596.1 C597.1 C598.1 C603.2 D52.1 D57.1 D58.3 D59.3 D60.3 D61.3 D62.3 D63.3 D64.3 D65.3 D66.3 J40.A9 J40.A10 J40.B8 R335.1 R339.1 TP176.1 U43.1 U43.7 U44.1 U45.1 U46.1 U47.17 | length 1055.9
  TOP w6: v1(1762,331.09) 1777.5,346.59 U43.1@1777.5,428.7 ; v1(1927.5,370) U43.7@1927.5,428.7 ; v1(2006.95,338.24) 2031.56,362.85 U45.1@2031.56,428.7 ; J40.B8@2072.83,-161.42 2072.83,-72.7 v7(2072.83,-67.74) ; v1(2238.83,338.24) 2264.42,363.83 U46.1@2264.42,412.36 ; v1(2564.84,331.09) U44.1@2564.84,391.55
  BOT w6: U47.17@1821.61,422.36 1821.97,422.01 1821.97,338.24 1827.5,332.71 v1(1827.5,331.09) ; v7(2072.83,-67.74) 2073.98,-66.59 2078.23,-66.59 2079.33,-65.48 2084.3,-65.48 2100.83,-82.01 2101.46,-82.01 2112.2,-92.76 J40.A9@2112.2,-161.42 ; D52.1@2081.56,45 2081.56,39 D52.1@2095,25.56 ; 2095,-75.32 D52.1@2095,25.56 ; J40.A10@2151.57,-161.42 2151.57,-93.5 2140.83,-82.76 2135.07,-82.76 2131.56,-79.24 2131.56,-11 D52.1@2095,25.56
+3V3_SENSE: C528.1 C533.1 C536.1 C537.1 FB8.2 R308.1 TP144.1 U39.5 U41.5 U41.29